# Altium PCB IRVT-001.PcbDoc (part 1 of 4) (continued)
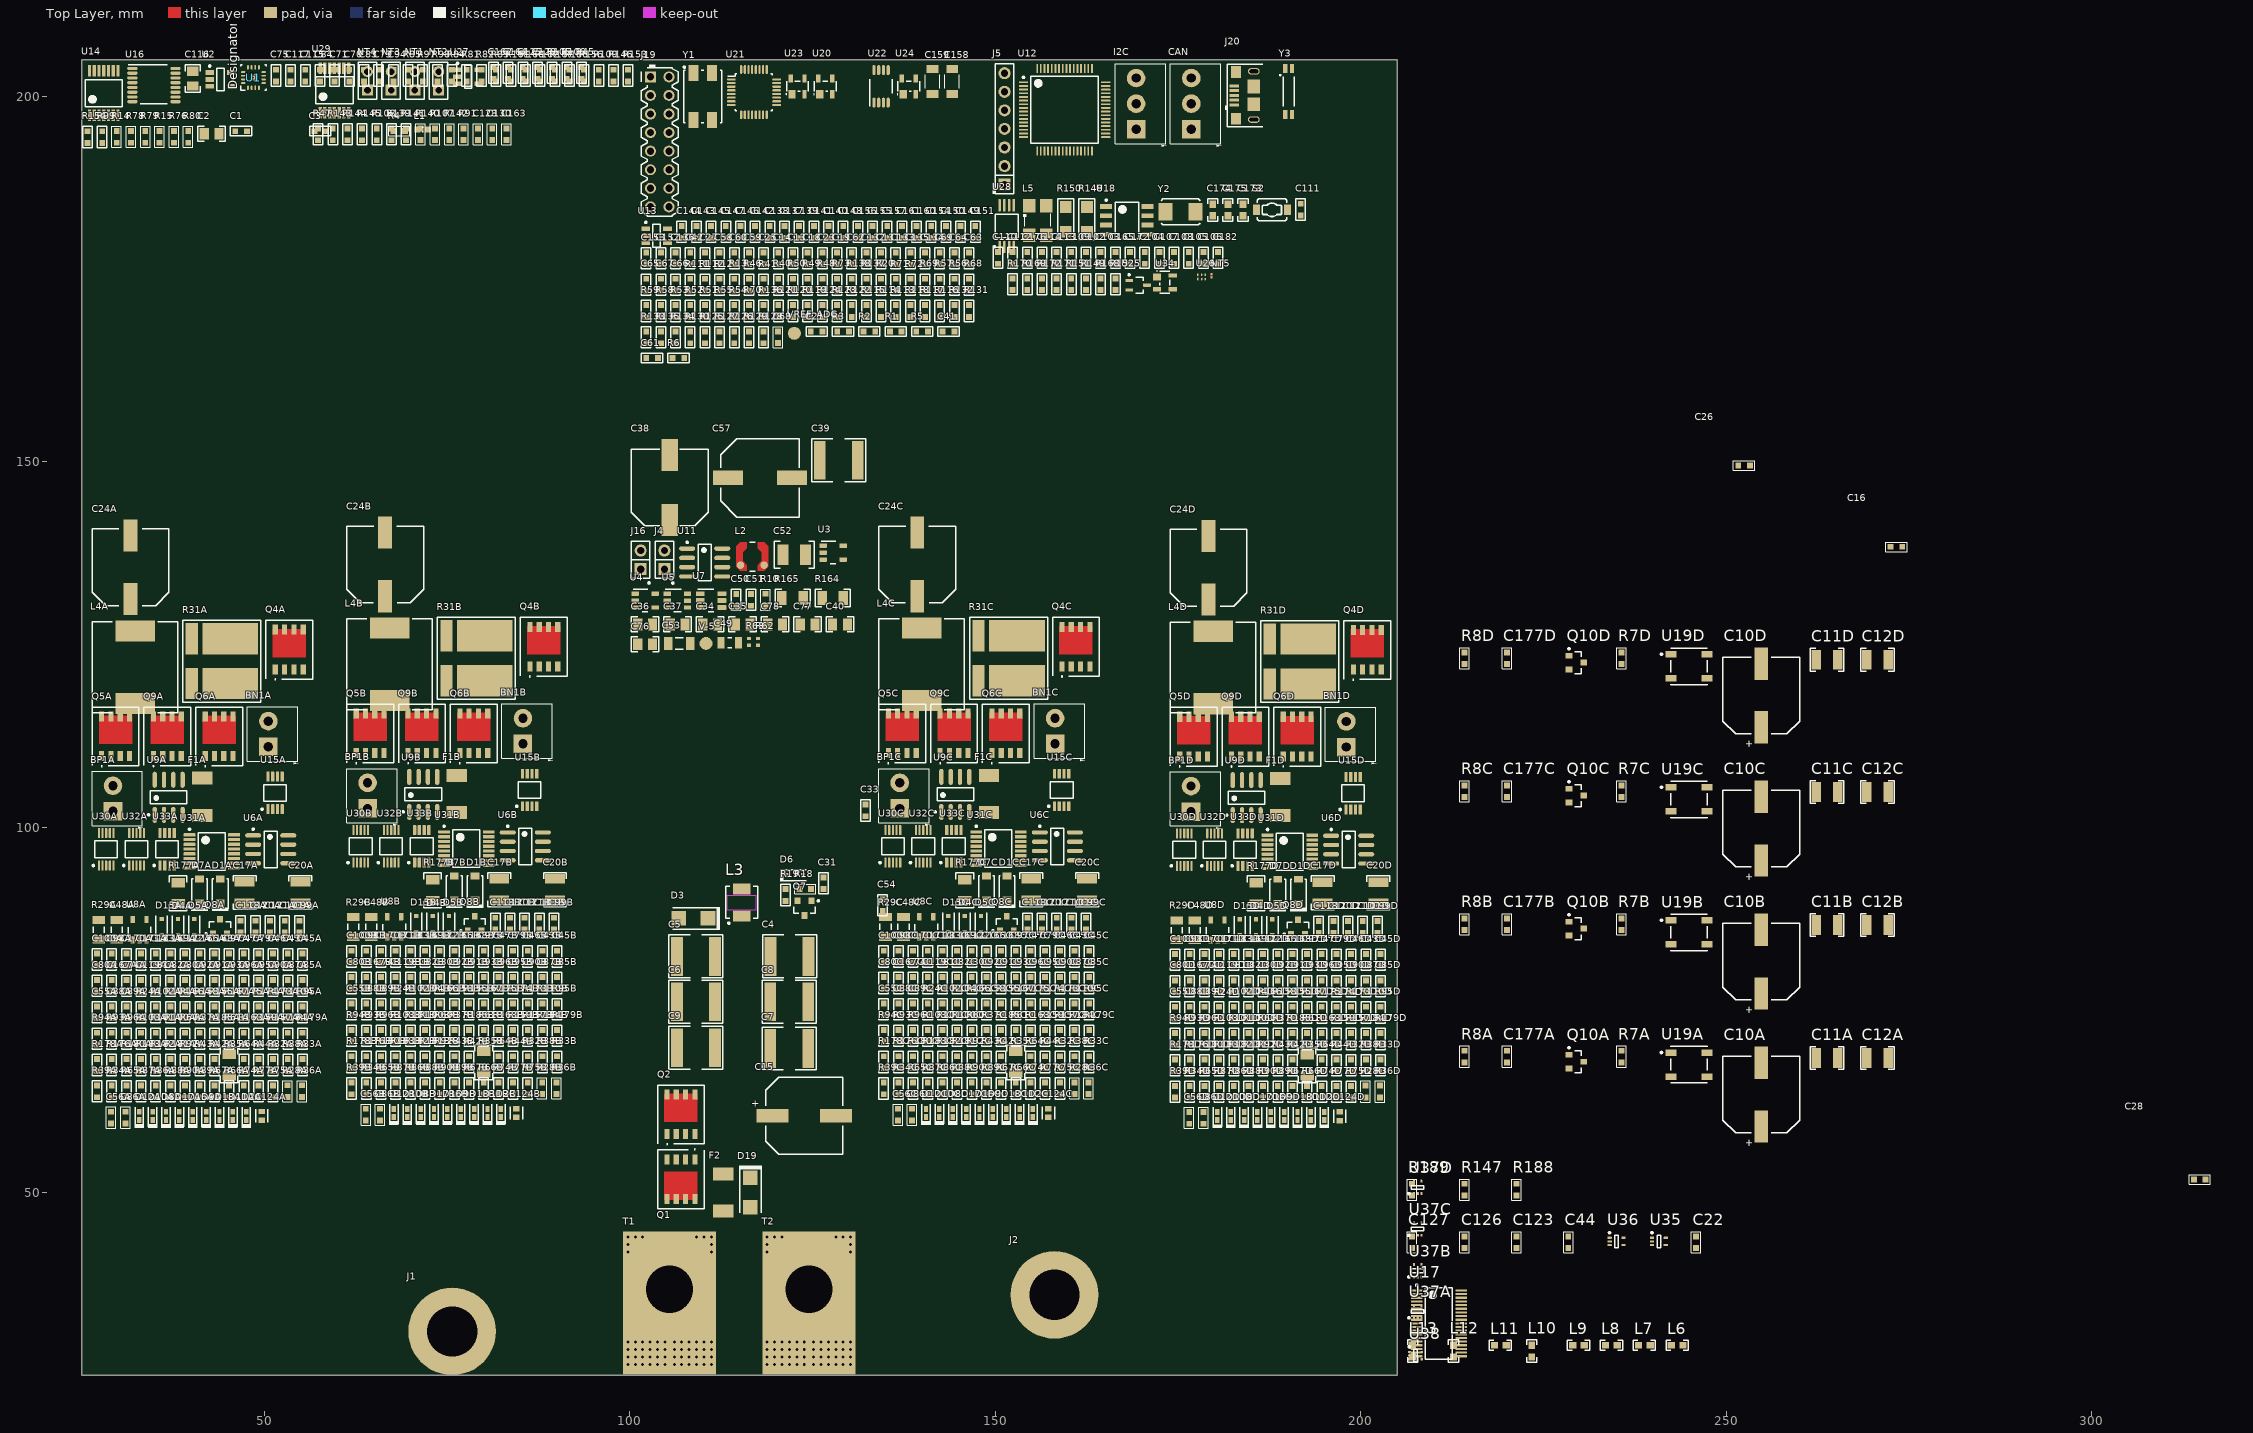
[diagram p0: Top Layer view]
## Classes and differential pairs (continued)
component class ADC: C13 C14 C18 C19 C21 C23 C25 C27 C41 C42 C58 C59 C60 C61 C62 C63 C64 C65 C66 C67 C68 C69 C131 C132 C133 C134 C135 C136 C137 C138 C139 C140 C141 C142 C143 C144 C145 C146 C147 C148 C149 C150 C151 C152 C153 C154 C155 C156 C157 C158 C159 C160 C161 J19 R1 R2 R3 R5 R6 R12 R13 R20 R40 R41 R46 R48 R49 R50 R51 R52 R53 R54 R55 R56 R57 R58 R59 R68 R69 R70 R71 R72 R73 R111 R112 R113 R114 R115 R116 R117 R118 R119 R120 R121 R122 R123 R124 R125 R126 R127 R128 R129 R130 R131 R132 R133 R134 R135 R136 R137 R138 S1 U13 U17 U21 U22 VREF_ADC Y1
differential pair CAN_INT: +CAN_INT_P -CAN_INT_N
differential pair CAN_EXT: +CAN_EXT_P -CAN_EXT_N

## Components (designator, comment, footprint, x,y, rotation, side; value= is the part's Value field where it differs from the comment)
BN1A "ED555/2DS" TERM_BLK_ED555-2DS 50.545,110.992 r90 top (schematic designator BN1)
BN1B "ED555/2DS" TERM_BLK_ED555-2DS 85.381,111.392 r90 top (schematic designator BN1)
BN1C "ED555/2DS" TERM_BLK_ED555-2DS 158.181,111.392 r90 top (schematic designator BN1)
BN1D "ED555/2DS" TERM_BLK_ED555-2DS 198.041,110.946 r90 top (schematic designator BN1)
BP1A "ED555/2DS" TERM_BLK_ED555-2DS 29.288,102.151 r90 top (schematic designator BP1)
BP1B "ED555/2DS" TERM_BLK_ED555-2DS 64.124,102.551 r90 top (schematic designator BP1)
BP1C "ED555/2DS" TERM_BLK_ED555-2DS 136.924,102.551 r90 top (schematic designator BP1)
BP1D "ED555/2DS" TERM_BLK_ED555-2DS 176.784,102.106 r90 top (schematic designator BP1)
C1 "C0603C105K3RACTU" 0603C 46.813,195.212 r0 top value=1uF
C2 "Capacitor" 0805_HV 42.787,194.857 r0 top value=10uF
C3 "C0603C105K3RACTU" 0603C 57.637,195.212 r0 top value=1uF
C4 "C5750X7R2A475M230KA" 2220_280 121.851,82.306 r0 top value=4.7uF
C5 "C5750X7R2A475M230KA" 2220_280 109.051,82.306 r180 top value=4.7uF
C6 "C5750X7R2A475M230KA" 2220_280 109.051,76.106 r180 top value=4.7uF
C7 "C5750X7R2A475M230KA" 2220_280 121.801,69.706 r0 top value=4.7uF
C8 "C5750X7R2A475M230KA" 2220_280 121.801,76.086 r0 top value=4.7uF
C9 "C5750X7R2A475M230KA" 2220_280 109.051,69.806 r180 top value=4.7uF
C10A "25SVPF330M" CAPSMT_62_F12 254.799,63.4 r90 top value=330uF (schematic designator C10)
C10B "25SVPF330M" CAPSMT_62_F12 254.799,81.6 r90 top value=330uF (schematic designator C10)
C10C "25SVPF330M" CAPSMT_62_F12 254.799,99.8 r90 top value=330uF (schematic designator C10)
C10D "25SVPF330M" CAPSMT_62_F12 254.799,118 r90 top value=330uF (schematic designator C10)
C11A "GRM32ER71E226KE15L" 1210_270 263.799,68.4 r0 top value=22uF (schematic designator C11)
C11B "GRM32ER71E226KE15L" 1210_270 263.799,86.6 r0 top value=22uF (schematic designator C11)
C11C "GRM32ER71E226KE15L" 1210_270 263.799,104.8 r0 top value=22uF (schematic designator C11)
C11D "GRM32ER71E226KE15L" 1210_270 263.799,122.9 r0 top value=22uF (schematic designator C11)
C12A "GRM32ER71E226KE15L" 1210_270 270.699,68.4 r0 top value=22uF (schematic designator C12)
C12B "GRM32ER71E226KE15L" 1210_270 270.699,86.6 r0 top value=22uF (schematic designator C12)
C12C "GRM32ER71E226KE15L" 1210_270 270.699,104.8 r0 top value=22uF (schematic designator C12)
C12D "GRM32ER71E226KE15L" 1210_270 270.699,122.9 r0 top value=22uF (schematic designator C12)
C13 "Capacitor" 0603C 122.325,177.826 r90 top value=0.22uF
C14 "Capacitor" 0603C 120.317,177.826 r90 top value=0.22uF
C15 "25SVPF330M" CAPSMT_62_F12 123.851,60.506 r0 top value=330uF
C16 "C0603C104J3RACTU" 0603C 273.3,138.35 r0 top value=0.1uF
C17A "GRM32ER71A476ME15L" 1210_270 47.289,91.048 r90 top value=47uF (schematic designator C17)
C17B "GRM32ER71A476ME15L" 1210_270 82.125,91.448 r90 top value=47uF (schematic designator C17)
C17C "GRM32ER71A476ME15L" 1210_270 154.925,91.448 r90 top value=47uF (schematic designator C17)
C17D "GRM32ER71A476ME15L" 1210_270 194.785,91.002 r90 top value=47uF (schematic designator C17)
C18 "Capacitor" 0603C 124.333,177.826 r90 top value=1500pF
C19 "Capacitor" 0603C 128.349,177.826 r90 top value=0.1uF
C20A "GRM32ER71A476ME15L" 1210_270 54.932,91.048 r90 top value=47uF (schematic designator C20)
C20B "GRM32ER71A476ME15L" 1210_270 89.768,91.448 r90 top value=47uF (schematic designator C20)
C20C "GRM32ER71A476ME15L" 1210_270 162.568,91.448 r90 top value=47uF (schematic designator C20)
C20D "GRM32ER71A476ME15L" 1210_270 202.428,91.002 r90 top value=47uF (schematic designator C20)
C21 "GRM188R72A392KA01D" 0603C 125.564,167.802 r0 top value=3900pF
C22 "C0603C104J3RACTU" 0603C 245.9,43.2 r90 top value=0.1uF
C23 "Capacitor" 0603C 126.341,177.826 r90 top value=2700pF
C24A "10SVP560M" SM_RADIAL_10AMM 31.693,135.537 r90 top value=560uF (schematic designator C24)
C24B "10SVP560M" SM_RADIAL_10AMM 66.529,135.937 r90 top value=560uF (schematic designator C24)
C24C "10SVP560M" SM_RADIAL_10AMM 139.329,135.937 r90 top value=560uF (schematic designator C24)
C24D "10SVP560M" SM_RADIAL_10AMM 179.189,135.492 r90 top value=560uF (schematic designator C24)
C25 "Capacitor" 0603C 118.309,177.826 r90 top value=1500pF
C26 "C0603C104J3RACTU" 0603C 252.45,149.45 r180 top value=0.1uF
C27 "Capacitor" 0603C 110.277,177.826 r90 top value=1500pF
C28 "C0603C104J3RACTU" 0603C 314.8,51.8 r0 top value=0.1uF
C29 "GRM1885C1H103JA01D" 0603C 101.801,61.206 r0 bottom value=0.01uF
C30A "C0603C105K3RACTU" 0603C 39.152,78.274 r90 top value=1uF (schematic designator C30)
C30B "C0603C105K3RACTU" 0603C 73.988,78.674 r90 top value=1uF (schematic designator C30)
C30C "C0603C105K3RACTU" 0603C 146.788,78.674 r90 top value=1uF (schematic designator C30)
C30D "C0603C105K3RACTU" 0603C 186.648,78.229 r90 top value=1uF (schematic designator C30)
C31 "GRM1885C1H103JA01D" 0603C 126.501,92.306 r270 top value=0.01uF
C32 "C0603C104J3RACTU" 0603C 112.501,50.306 r90 bottom value=0.1uF
C33 "GRM1885C1H103JA01D" 0603C 132.234,102.275 r90 top value=0.01uF
C34 "C2012X7S2A105K125AB" 0805_HV 110.982,127.727 r0 top value=1uF
C35 "C2012X7S2A105K125AB" 0805_HV 115.427,127.727 r0 top value=1uF
C36 "C2012X7S2A105K125AB" 0805_HV 102.092,127.727 r0 top value=1uF
C37 "C2012X7S2A105K125AB" 0805_HV 106.537,127.727 r0 top value=1uF
C38 "EMVH101ADA220MJA0G" CAPSMT_62_JA0 105.462,146.46 r90 top value=22uF
C39 "C5750X7S2A106M230KB" 2220_250 128.603,150.183 r0 top value=10uF
C40 "C2012X7R2A104K125AA" 0805_HV 128.762,127.727 r0 top value=0.1uF
C41 "GRM188R72A392KA01D" 0603C 143.604,167.802 r0 top value=3900pF
C42 "Capacitor" 0603C 108.269,177.826 r90 top value=1500pF
C43A "Capacitor" 0603C 53.208,81.882 r90 top value=0.1uF (schematic designator C43)
C43B "Capacitor" 0603C 88.044,82.282 r90 top value=0.1uF (schematic designator C43)
C43C "Capacitor" 0603C 160.844,82.282 r90 top value=0.1uF (schematic designator C43)
C43D "Capacitor" 0603C 200.704,81.837 r90 top value=0.1uF (schematic designator C43)
C44 "C0603C104J3RACTU" 0603C 228.4,43.2 r90 top value=0.1uF
C45A "Capacitor" 0603C 55.216,81.882 r90 top value=0.015uF (schematic designator C45)
C45B "Capacitor" 0603C 90.052,82.282 r90 top value=0.015uF (schematic designator C45)
C45C "Capacitor" 0603C 162.852,82.282 r90 top value=0.015uF (schematic designator C45)
C45D "Capacitor" 0603C 202.712,81.837 r90 top value=0.015uF (schematic designator C45)
C46A "Capacitor" 0603C 51.2,81.882 r90 top value=0.015uF (schematic designator C46)
C46B "Capacitor" 0603C 86.036,82.282 r90 top value=0.015uF (schematic designator C46)
C46C "Capacitor" 0603C 158.836,82.282 r90 top value=0.015uF (schematic designator C46)
C46D "Capacitor" 0603C 198.696,81.837 r90 top value=0.015uF (schematic designator C46)
C47A "Capacitor" 0603C 47.184,81.882 r90 top value=0.1uF (schematic designator C47)
C47B "Capacitor" 0603C 82.02,82.282 r90 top value=0.1uF (schematic designator C47)
C47C "Capacitor" 0603C 154.82,82.282 r90 top value=0.1uF (schematic designator C47)
C47D "Capacitor" 0603C 194.68,81.837 r90 top value=0.1uF (schematic designator C47)
C48A "GRM319R61H475KA12" 1206L 29.792,85.942 r90 top value=4.7uF (schematic designator C48)
C48B "GRM319R61H475KA12" 1206L 64.628,86.342 r90 top value=4.7uF (schematic designator C48)
C48C "GRM319R61H475KA12" 1206L 137.428,86.342 r90 top value=4.7uF (schematic designator C48)
C48D "GRM319R61H475KA12" 1206L 177.288,85.896 r90 top value=4.7uF (schematic designator C48)
C49 "C2012X7R2A104K125AA" CAPC2013X145X20ML20 113.671,125.238 r0 top
C50 "GRM188R61E106MA73D" 0603C 114.556,131.09 r90 top value=10uF
C51 "100nF 50V" 0603C 116.564,131.09 r90 top
C52 "12105C106KAT2A" 1210M 122.502,137.261 r0 top
C53 "CAP 4.7uF 50V 1206(3216)" CAPC1206(3216)190_N 106.745,125.113 r0 top value=4.7uF
C54 "GRM1885C1H103JA01D" 0603C 134.601,89.306 r90 top value=0.01uF
C55A "GRM1885C1H101JA01D" 0603C 27.104,74.666 r90 top value=100pF (schematic designator C55)
C55B "GRM1885C1H101JA01D" 0603C 61.94,75.066 r90 top value=100pF (schematic designator C55)
C55C "GRM1885C1H101JA01D" 0603C 134.74,75.066 r90 top value=100pF (schematic designator C55)
C55D "GRM1885C1H101JA01D" 0603C 174.6,74.621 r90 top value=100pF (schematic designator C55)
C56A "Capacitor" 0603C 29.037,60.259 r90 top value=0.1uF (schematic designator C56)
C56B "Capacitor" 0603C 63.873,60.659 r90 top value=0.1uF (schematic designator C56)
C56C "Capacitor" 0603C 136.673,60.659 r90 top value=0.1uF (schematic designator C56)
C56D "Capacitor" 0603C 176.533,60.214 r90 top value=0.1uF (schematic designator C56)
C57 "EEE-FC1E221P" SM_RADIAL_G 117.811,147.772 r0 top value=220uF
C58 "Capacitor" 0603C 112.285,177.826 r90 top value=1uF
C59 "Capacitor" 0603C 116.301,177.826 r90 top value=0.1uF
C60 "Capacitor" 0603C 114.293,177.826 r90 top value=1uF
C61 "Capacitor" 0603C 103.045,164.194 r0 top value=0.1uF
C62 "Capacitor" 0603C 130.357,177.826 r90 top value=1uF
C63 "Capacitor" 0603C 146.421,177.826 r90 top value=2700pF
C64 "Capacitor" 0603C 144.413,177.826 r90 top value=2700pF
C65 "Capacitor" 0603C 102.245,174.218 r90 top value=2700pF
C66 "Capacitor" 0603C 106.261,174.218 r90 top value=2700pF
C67 "Capacitor" 0603C 104.253,174.218 r90 top value=1uF
C68 "Capacitor" 0603C 120.292,167.027 r90 top value=1uF
C69 "Capacitor" 0603C 142.405,177.826 r90 top value=2700pF
C70 "C0603C105K3RACTU" 0603C 61.624,202.823 r90 top value=1uF
C71 "C0603C105K3RACTU" 0603C 59.616,202.823 r90 top value=1uF
C72 "C0603C105K3RACTU" 0603C 110.701,62.806 r90 bottom value=1uF
C73 "C0603C104J3RACTU" 0603C 65.64,202.823 r90 top value=0.1uF
C74A "GRM1885C1H103JA01D" 0603C 31.12,78.274 r90 top value=0.01uF (schematic designator C74)
C74B "GRM1885C1H103JA01D" 0603C 65.956,78.674 r90 top value=0.01uF (schematic designator C74)
C74C "GRM1885C1H103JA01D" 0603C 138.756,78.674 r90 top value=0.01uF (schematic designator C74)
C74D "GRM1885C1H103JA01D" 0603C 178.616,78.229 r90 top value=0.01uF (schematic designator C74)
C75 "C0603C104J3RACTU" 0603C 51.584,202.823 r90 top value=0.1uF
C76 "Capacitor" 0805_HV 102.092,125.009 r0 top value=1uF
C77 "Capacitor" 0805_HV 124.317,127.727 r0 top value=1uF
C78 "Capacitor" 0805_HV 119.872,127.727 r0 top value=1uF
C79A "Capacitor" 0603C 49.192,81.882 r90 top value=0.015uF (schematic designator C79)
C79B "Capacitor" 0603C 84.028,82.282 r90 top value=0.015uF (schematic designator C79)
C79C "Capacitor" 0603C 156.828,82.282 r90 top value=0.015uF (schematic designator C79)
C79D "Capacitor" 0603C 196.688,81.837 r90 top value=0.015uF (schematic designator C79)
C80A "Capacitor" 0603C 27.104,78.274 r90 top value=0.015uF (schematic designator C80)
C80B "Capacitor" 0603C 61.94,78.674 r90 top value=0.015uF (schematic designator C80)
C80C "Capacitor" 0603C 134.74,78.674 r90 top value=0.015uF (schematic designator C80)
C80D "Capacitor" 0603C 174.6,78.229 r90 top value=0.015uF (schematic designator C80)
C81A "Capacitor" 0603C 35.136,78.274 r90 top value=0.015uF (schematic designator C81)
C81B "Capacitor" 0603C 69.972,78.674 r90 top value=0.015uF (schematic designator C81)
C81C "Capacitor" 0603C 142.772,78.674 r90 top value=0.015uF (schematic designator C81)
C81D "Capacitor" 0603C 182.632,78.229 r90 top value=0.015uF (schematic designator C81)
C82A "Capacitor" 0603C 37.144,78.274 r90 top value=0.015uF (schematic designator C82)
C82B "Capacitor" 0603C 71.98,78.674 r90 top value=0.015uF (schematic designator C82)
C82C "Capacitor" 0603C 144.78,78.674 r90 top value=0.015uF (schematic designator C82)
C82D "Capacitor" 0603C 184.64,78.229 r90 top value=0.015uF (schematic designator C82)
C83 "C0603C105K3RACTU" 0603C 63.632,202.823 r90 top value=1uF
C84 "C0603C104J3RACTU" 0603C 57.608,202.823 r90 top value=0.1uF
C85A "C0603C105K3RACTU" 0603C 55.216,78.274 r90 top value=1uF (schematic designator C85)
C85B "C0603C105K3RACTU" 0603C 90.052,78.674 r90 top value=1uF (schematic designator C85)
C85C "C0603C105K3RACTU" 0603C 162.852,78.674 r90 top value=1uF (schematic designator C85)
C85D "C0603C105K3RACTU" 0603C 202.712,78.229 r90 top value=1uF (schematic designator C85)
C86A "Capacitor" 0603C 30.995,60.259 r90 top value=0.1uF (schematic designator C86)
C86B "Capacitor" 0603C 65.831,60.659 r90 top value=0.1uF (schematic designator C86)
C86C "Capacitor" 0603C 138.631,60.659 r90 top value=0.1uF (schematic designator C86)
C86D "Capacitor" 0603C 178.491,60.214 r90 top value=0.1uF (schematic designator C86)
C87A "GRM1885C1H102JA01D" 0603C 53.208,78.274 r90 top value=1000pF (schematic designator C87)
C87B "GRM1885C1H102JA01D" 0603C 88.044,78.674 r90 top value=1000pF (schematic designator C87)
C87C "GRM1885C1H102JA01D" 0603C 160.844,78.674 r90 top value=1000pF (schematic designator C87)
C87D "GRM1885C1H102JA01D" 0603C 200.704,78.229 r90 top value=1000pF (schematic designator C87)
C88A "C0603C105K3RACTU" 0603C 29.112,74.666 r90 top value=1uF (schematic designator C88)
C88B "C0603C105K3RACTU" 0603C 63.948,75.066 r90 top value=1uF (schematic designator C88)
C88C "C0603C105K3RACTU" 0603C 136.748,75.066 r90 top value=1uF (schematic designator C88)
C88D "C0603C105K3RACTU" 0603C 176.608,74.621 r90 top value=1uF (schematic designator C88)
C89A "GRM1885C1H101JA01D" 0603C 31.12,74.666 r90 top value=100pF (schematic designator C89)
C89B "GRM1885C1H101JA01D" 0603C 65.956,75.066 r90 top value=100pF (schematic designator C89)
C89C "GRM1885C1H101JA01D" 0603C 138.756,75.066 r90 top value=100pF (schematic designator C89)
C89D "GRM1885C1H101JA01D" 0603C 178.616,74.621 r90 top value=100pF (schematic designator C89)
C90A "GRM1885C1H101JA01D" 0603C 51.2,78.274 r90 top value=100pF (schematic designator C90)
C90B "GRM1885C1H101JA01D" 0603C 86.036,78.674 r90 top value=100pF (schematic designator C90)
C90C "GRM1885C1H101JA01D" 0603C 158.836,78.674 r90 top value=100pF (schematic designator C90)
C90D "GRM1885C1H101JA01D" 0603C 198.696,78.229 r90 top value=100pF (schematic designator C90)
C91A "GRM1885C1H101JA01D" 0603C 43.168,78.274 r90 top value=100pF (schematic designator C91)
C91B "GRM1885C1H101JA01D" 0603C 78.004,78.674 r90 top value=100pF (schematic designator C91)
C91C "GRM1885C1H101JA01D" 0603C 150.804,78.674 r90 top value=100pF (schematic designator C91)
C91D "GRM1885C1H101JA01D" 0603C 190.664,78.229 r90 top value=100pF (schematic designator C91)
C92A "GRM188R71A225KE15D" 0603C 41.16,78.274 r90 top value=2.2uF (schematic designator C92)
C92B "GRM188R71A225KE15D" 0603C 75.996,78.674 r90 top value=2.2uF (schematic designator C92)
C92C "GRM188R71A225KE15D" 0603C 148.796,78.674 r90 top value=2.2uF (schematic designator C92)
C92D "GRM188R71A225KE15D" 0603C 188.656,78.229 r90 top value=2.2uF (schematic designator C92)
C93A "GRM1885C1H221JA01D" 0603C 45.176,78.274 r90 top value=220pF (schematic designator C93)
C93B "GRM1885C1H221JA01D" 0603C 80.012,78.674 r90 top value=220pF (schematic designator C93)
C93C "GRM1885C1H221JA01D" 0603C 152.812,78.674 r90 top value=220pF (schematic designator C93)
C93D "GRM1885C1H221JA01D" 0603C 192.672,78.229 r90 top value=220pF (schematic designator C93)
C94 "C0603C105K3RACTU" 0603C 67.648,202.823 r90 top value=1uF
C95A "GRM1885C1H101JA01D" 0603C 49.192,78.274 r90 top value=100pF (schematic designator C95)
C95B "GRM1885C1H101JA01D" 0603C 84.028,78.674 r90 top value=100pF (schematic designator C95)
C95C "GRM1885C1H101JA01D" 0603C 156.828,78.674 r90 top value=100pF (schematic designator C95)
C95D "GRM1885C1H101JA01D" 0603C 196.688,78.229 r90 top value=100pF (schematic designator C95)
C96A "GRM1885C1H101JA01D" 0603C 47.184,78.274 r90 top value=100pF (schematic designator C96)
C96B "GRM1885C1H101JA01D" 0603C 82.02,78.674 r90 top value=100pF (schematic designator C96)
C96C "GRM1885C1H101JA01D" 0603C 154.82,78.674 r90 top value=100pF (schematic designator C96)
C96D "GRM1885C1H101JA01D" 0603C 194.68,78.229 r90 top value=100pF (schematic designator C96)
C97A "C0603C105K3RACTU" 0603C 45.176,81.882 r90 top value=1uF (schematic designator C97)
C97B "C0603C105K3RACTU" 0603C 80.012,82.282 r90 top value=1uF (schematic designator C97)
C97C "C0603C105K3RACTU" 0603C 152.812,82.282 r90 top value=1uF (schematic designator C97)
C97D "C0603C105K3RACTU" 0603C 192.672,81.837 r90 top value=1uF (schematic designator C97)
C98A "C0603C104J3RACTU" 0603C 29.112,81.882 r90 top value=0.1uF (schematic designator C98)
C98B "C0603C104J3RACTU" 0603C 63.948,82.282 r90 top value=0.1uF (schematic designator C98)
C98C "C0603C104J3RACTU" 0603C 136.748,82.282 r90 top value=0.1uF (schematic designator C98)
C98D "C0603C104J3RACTU" 0603C 176.608,81.837 r90 top value=0.1uF (schematic designator C98)
C99A "C0603C105K3RACTU" 0603C 54.79,86.393 r90 top value=1uF (schematic designator C99)
C99B "C0603C105K3RACTU" 0603C 89.626,86.793 r90 top value=1uF (schematic designator C99)
C99C "C0603C105K3RACTU" 0603C 162.426,86.793 r90 top value=1uF (schematic designator C99)
C99D "C0603C105K3RACTU" 0603C 202.286,86.348 r90 top value=1uF (schematic designator C99)
C100A "GRM1885C1H101JA01D" 0603C 27.104,81.882 r90 top value=100pF (schematic designator C100)
C100B "GRM1885C1H101JA01D" 0603C 61.94,82.282 r90 top value=100pF (schematic designator C100)
C100C "GRM1885C1H101JA01D" 0603C 134.74,82.282 r90 top value=100pF (schematic designator C100)
C100D "GRM1885C1H101JA01D" 0603C 174.6,81.837 r90 top value=100pF (schematic designator C100)
C101A "C0603C105K3RACTU" 0603C 52.782,86.393 r90 top value=1uF (schematic designator C101)
C101B "C0603C105K3RACTU" 0603C 87.618,86.793 r90 top value=1uF (schematic designator C101)
C101C "C0603C105K3RACTU" 0603C 160.418,86.793 r90 top value=1uF (schematic designator C101)
C101D "C0603C105K3RACTU" 0603C 200.278,86.348 r90 top value=1uF (schematic designator C101)
C102 "06033C104JAT2A" 0603C 162.413,177.875 r90 top value=0.1uF
C103 "06033C104JAT2A" 0603C 164.421,177.875 r90 top value=0.1uF
C104 "06033C104JAT2A" 0603C 170.445,177.875 r90 top value=0.1uF
C105 "06033C104JAT2A" 0603C 176.469,177.875 r90 top value=0.1uF
C106 "06033C104JAT2A" 0603C 178.477,177.875 r90 top value=0.1uF
C107 "GRM188R6YA225KA12D" 0603C 172.453,177.875 r90 top value=2.2uF
C108 "GRM188R71E105KA12D" 0603C 174.461,177.875 r90 top value=1uF
C109 "06033C104JAT2A" 0603C 160.405,177.875 r90 top value=0.1uF
C110 "C0603C120J5GACTU" 0603C 150.365,177.875 r90 top value=12pF
C111 "C0603C120J5GACTU" 0603C 191.792,184.486 r90 top value=12pF
C112 "06033C104JAT2A" 0603C 152.373,177.875 r90 top value=0.1uF
C113 "06035A6R8CAT2A" 0603C 158.397,177.875 r90 top value=6.8pF
C114 "06035A6R8CAT2A" 0603C 156.389,177.875 r90 top value=6.8pF
C115 "C0603C105K3RACTU" 0603C 55.6,202.823 r90 top value=1uF
C116 "Capacitor" 0805_HV 40.202,202.405 r90 top value=10uF
C117 "C0603C105K3RACTU" 0603C 53.592,202.823 r90 top value=1uF
C118A "GRM188R71A334KA61D" 0603C 46.758,86.393 r90 top value=0.33uF (schematic designator C118)
C118B "GRM188R71A334KA61D" 0603C 81.594,86.793 r90 top value=0.33uF (schematic designator C118)
C118C "GRM188R71A334KA61D" 0603C 154.394,86.793 r90 top value=0.33uF (schematic designator C118)
C118D "GRM188R71A334KA61D" 0603C 194.254,86.348 r90 top value=0.33uF (schematic designator C118)
C119A "Capacitor" 0603C 33.128,78.274 r90 top value=0.1uF (schematic designator C119)
C119B "Capacitor" 0603C 67.964,78.674 r90 top value=0.1uF (schematic designator C119)
C119C "Capacitor" 0603C 140.764,78.674 r90 top value=0.1uF (schematic designator C119)
C119D "Capacitor" 0603C 180.624,78.229 r90 top value=0.1uF (schematic designator C119)
C120A "C0603C105K3RACTU" 0603C 48.766,86.393 r90 top value=1uF (schematic designator C120)
C120B "C0603C105K3RACTU" 0603C 83.602,86.793 r90 top value=1uF (schematic designator C120)
C120C "C0603C105K3RACTU" 0603C 156.402,86.793 r90 top value=1uF (schematic designator C120)
C120D "C0603C105K3RACTU" 0603C 196.262,86.348 r90 top value=1uF (schematic designator C120)
C121A "C0603C105K3RACTU" 0603C 50.774,86.393 r90 top value=1uF (schematic designator C121)
C121B "C0603C105K3RACTU" 0603C 85.61,86.793 r90 top value=1uF (schematic designator C121)
C121C "C0603C105K3RACTU" 0603C 158.41,86.793 r90 top value=1uF (schematic designator C121)
C121D "C0603C105K3RACTU" 0603C 198.27,86.348 r90 top value=1uF (schematic designator C121)
C122A "C0603C105K3RACTU" 0603C 39.152,81.882 r90 top value=1uF (schematic designator C122)
C122B "C0603C105K3RACTU" 0603C 73.988,82.282 r90 top value=1uF (schematic designator C122)
C122C "C0603C105K3RACTU" 0603C 146.788,82.282 r90 top value=1uF (schematic designator C122)
C122D "C0603C105K3RACTU" 0603C 186.648,81.837 r90 top value=1uF (schematic designator C122)
C123 "C0603C104J3RACTU" 0603C 221.3,43.2 r90 top value=0.1uF
C124A "C0603C152J1GACTU" FP-C0603C-CF-MFG 49.637,60.484 r90 top value="1,500 pF" (schematic designator C124)
C124B "C0603C152J1GACTU" FP-C0603C-CF-MFG 84.473,60.884 r90 top value="1,500 pF" (schematic designator C124)
C124C "C0603C152J1GACTU" FP-C0603C-CF-MFG 157.273,60.884 r90 top value="1,500 pF" (schematic designator C124)
C124D "C0603C152J1GACTU" FP-C0603C-CF-MFG 197.134,60.439 r90 top value="1,500 pF" (schematic designator C124)
C125 "C0603C105K3RACTU" 0603C 85.355,203.186 r90 top value=1uF
C126 "C0603C104J3RACTU" 0603C 214.2,43.2 r90 top value=0.1uF
C127 "C0603C104J3RACTU" 0603C 207,43.2 r90 top value=0.1uF
C128 "Capacitor" 0603C 79.216,194.8 r90 top value=0.1uF
C129 "C0603C105K3RACTU" 0603C 87.363,203.186 r90 top value=1uF
C130 "Capacitor" 0603C 81.174,194.8 r90 top value=0.1uF
C131 "Capacitor" 0603C 134.373,177.826 r90 top value=0.22uF
C132 "Capacitor" 0603C 132.365,177.826 r90 top value=0.22uF
C133 "Capacitor" 0603C 136.381,177.826 r90 top value=0.1uF
C134 "Capacitor" 0603C 140.397,177.826 r90 top value=1uF
C135 "Capacitor" 0603C 138.389,177.826 r90 top value=0.1uF
C136 "Capacitor" 0603C 106.261,177.826 r90 top value=1uF
C137 "Capacitor" 0603C 121.162,181.434 r90 top value=0.01uF
C138 "Capacitor" 0603C 119.154,181.434 r90 top value=1uF
C139 "Capacitor" 0603C 123.17,181.434 r90 top value=0.01uF
C140 "Capacitor" 0603C 127.186,181.434 r90 top value=0.01uF
C141 "Capacitor" 0603C 125.178,181.434 r90 top value=1uF
C142 "Capacitor" 0603C 117.146,181.434 r90 top value=1500pF
C143 "GRM188R72A392KA01D" 0603C 109.114,181.434 r90 top value=3900pF
C144 "Capacitor" 0603C 107.106,181.434 r90 top value=1500pF
C145 "Capacitor" 0603C 111.122,181.434 r90 top value=1uF
C146 "Capacitor" 0603C 115.138,181.434 r90 top value=0.1uF
C147 "Capacitor" 0603C 113.13,181.434 r90 top value=2700pF
C148 "Capacitor" 0603C 129.194,181.434 r90 top value=2700pF
C149 "Capacitor" 0603C 145.258,181.434 r90 top value=10pF
C150 "Capacitor" 0603C 143.25,181.434 r90 top value=1500pF
C151 "GRM188R72A392KA01D" 0603C 147.266,181.434 r90 top value=3900pF
C152 "GRM1885C1H200JA01D" 0603C 104.253,177.826 r90 top value=20pF
C153 "GRM1885C1H200JA01D" 0603C 102.245,177.826 r90 top value=20pF
C154 "Capacitor" 0603C 141.242,181.434 r90 top value=1500pF
C155 "Capacitor" 0603C 133.21,181.434 r90 top value=1uF
C156 "Capacitor" 0603C 131.202,181.434 r90 top value=1uF
C157 "Capacitor" 0603C 135.218,181.434 r90 top value=1000pF
C158 "Capacitor" 1206_190 144.1,202 r90 top value=100uF
C159 "Capacitor" 1206_190 141.422,202 r90 top value=100uF
C160 "Capacitor" 0603C 139.234,181.434 r90 top value=1uF
C161 "Capacitor" 0603C 137.226,181.434 r90 top value=1uF
C162 "C0603C105K3RACTU" 0603C 81.339,203.186 r90 top value=1uF
C163 "Capacitor" 0603C 83.132,194.8 r90 top value=0.1uF
C164 "C0603C105K3RACTU" 0603C 83.347,203.186 r90 top value=1uF
C165 "GRM1885C1H560JA01D" 0603C 166.429,177.875 r90 top value=56pF
C166A "GRM1885C1H101JA01D" 0603C 41.16,81.882 r90 top value=100pF (schematic designator C166)
C166B "GRM1885C1H101JA01D" 0603C 75.996,82.282 r90 top value=100pF (schematic designator C166)
C166C "GRM1885C1H101JA01D" 0603C 148.796,82.282 r90 top value=100pF (schematic designator C166)
C166D "GRM1885C1H101JA01D" 0603C 188.656,81.837 r90 top value=100pF (schematic designator C166)
C167A "Capacitor" 0603C 29.112,78.274 r90 top value=0.1uF (schematic designator C167)
C167B "Capacitor" 0603C 63.948,78.674 r90 top value=0.1uF (schematic designator C167)
C167C "Capacitor" 0603C 136.748,78.674 r90 top value=0.1uF (schematic designator C167)
C167D "Capacitor" 0603C 176.608,78.229 r90 top value=0.1uF (schematic designator C167)
C168A "GRM1885C1H103JA01D" 0603C 43.168,81.882 r90 top value=0.01uF (schematic designator C168)
C168B "GRM1885C1H103JA01D" 0603C 78.004,82.282 r90 top value=0.01uF (schematic designator C168)
C168C "GRM1885C1H103JA01D" 0603C 150.804,82.282 r90 top value=0.01uF (schematic designator C168)
C168D "GRM1885C1H103JA01D" 0603C 190.664,81.837 r90 top value=0.01uF (schematic designator C168)
C169A "C0603C105K3RACTU" 0603C 37.144,81.882 r90 top value=1uF (schematic designator C169)
C169B "C0603C105K3RACTU" 0603C 71.98,82.282 r90 top value=1uF (schematic designator C169)
C169C "C0603C105K3RACTU" 0603C 144.78,82.282 r90 top value=1uF (schematic designator C169)
C169D "C0603C105K3RACTU" 0603C 184.64,81.837 r90 top value=1uF (schematic designator C169)
C170A "GRM1885C1H221JA01D" 0603C 31.12,81.882 r90 top value=220pF (schematic designator C170)
C170B "GRM1885C1H221JA01D" 0603C 65.956,82.282 r90 top value=220pF (schematic designator C170)
C170C "GRM1885C1H221JA01D" 0603C 138.756,82.282 r90 top value=220pF (schematic designator C170)
C170D "GRM1885C1H221JA01D" 0603C 178.616,81.837 r90 top value=220pF (schematic designator C170)
C171A "C0603C105K3RACTU" 0603C 33.128,81.882 r90 top value=1uF (schematic designator C171)
C171B "C0603C105K3RACTU" 0603C 67.964,82.282 r90 top value=1uF (schematic designator C171)
C171C "C0603C105K3RACTU" 0603C 140.764,82.282 r90 top value=1uF (schematic designator C171)
C171D "C0603C105K3RACTU" 0603C 180.624,81.837 r90 top value=1uF (schematic designator C171)
C172 "GCM188R71H472KA37D" 0603C 168.437,177.875 r90 top value=4700pF
C173 "GRM1885C1H560JA01D" 0603 183.893,184.423 r90 top value=56pF
C174 "GRM188R71E105KA12D" 0603 179.754,184.423 r90 top value=1uF
C175 "GRM188R6YA225KA12D" 0603 181.823,184.423 r90 top value=2.2uF
C176 "06033C104JAT2A" 0603C 154.381,177.875 r90 top value=0.1uF
C177A "GRM1885C1H103JA01D" 0603C 220,68.6 r90 top value=0.01uF (schematic designator C177)
C177B "GRM1885C1H103JA01D" 0603C 220,86.7 r90 top value=0.01uF (schematic designator C177)
C177C "GRM1885C1H103JA01D" 0603C 220,104.9 r90 top value=0.01uF (schematic designator C177)
C177D "GRM1885C1H103JA01D" 0603C 220,123.1 r90 top value=0.01uF (schematic designator C177)
C182 "06033C104JAT2A" 0603C 180.485,177.875 r90 top value=0.1uF
C183A "C0603C220J5GACTU" 0603C 35.136,81.882 r90 top value=22pF (schematic designator C183)
C183B "C0603C220J5GACTU" 0603C 69.972,82.282 r90 top value=22pF (schematic designator C183)
C183C "C0603C220J5GACTU" 0603C 142.772,82.282 r90 top value=22pF (schematic designator C183)
C183D "C0603C220J5GACTU" 0603C 182.632,81.837 r90 top value=22pF (schematic designator C183)
CAN "ED555/3DS" TERM_BLK_ED555-3DS 176.822,195.472 r90 top
D1A "MBR140SFT1G" SOD-123FL 43.969,91.256 r90 top value=40V (schematic designator D1)
D1B "MBR140SFT1G" SOD-123FL 78.805,91.656 r90 top value=40V (schematic designator D1)
D1C "MBR140SFT1G" SOD-123FL 151.605,91.656 r90 top value=40V (schematic designator D1)
D1D "MBR140SFT1G" SOD-123FL 191.465,91.211 r90 top value=40V (schematic designator D1)
D2A "NSR0240V2T1G" SOD-523 47.519,60.495 r90 top value=40V (schematic designator D2)
D2B "NSR0240V2T1G" SOD-523 82.355,60.895 r90 top value=40V (schematic designator D2)
D2C "NSR0240V2T1G" SOD-523 155.155,60.895 r90 top value=40V (schematic designator D2)
D2D "NSR0240V2T1G" SOD-523 195.015,60.45 r90 top value=40V (schematic designator D2)
D3 "SMAJ18A" SMA 108.701,87.506 r180 top value=18V
D4A "MMSZ5245BS-7-F" sod-323 38.183,86.329 r90 top value=15V (schematic designator D4)
D4B "MMSZ5245BS-7-F" sod-323 73.019,86.729 r90 top value=15V (schematic designator D4)
D4C "MMSZ5245BS-7-F" sod-323 145.819,86.729 r90 top value=15V (schematic designator D4)
D4D "MMSZ5245BS-7-F" sod-323 185.68,86.284 r90 top value=15V (schematic designator D4)
D5A "MMSZ5245BS-7-F" sod-323 40.418,86.329 r90 top value=15V (schematic designator D5)
D5B "MMSZ5245BS-7-F" sod-323 75.254,86.729 r90 top value=15V (schematic designator D5)
D5C "MMSZ5245BS-7-F" sod-323 148.054,86.729 r90 top value=15V (schematic designator D5)
D5D "MMSZ5245BS-7-F" sod-323 187.915,86.284 r90 top value=15V (schematic designator D5)
D6 "MMSZ5243BS-7-F" sod-323 122.601,93.406 r0 top value=13
D7A "MBR140SFT1G" SOD-123FL 41.149,91.256 r90 top value=40V (schematic designator D7)
D7B "MBR140SFT1G" SOD-123FL 75.985,91.656 r90 top value=40V (schematic designator D7)
D7C "MBR140SFT1G" SOD-123FL 148.785,91.656 r90 top value=40V (schematic designator D7)
D7D "MBR140SFT1G" SOD-123FL 188.645,91.211 r90 top value=40V (schematic designator D7)
D8A "NSR0240V2T1G" SOD-523 36.546,60.495 r90 top value=40V (schematic designator D8)
D8B "NSR0240V2T1G" SOD-523 71.382,60.895 r90 top value=40V (schematic designator D8)
D8C "NSR0240V2T1G" SOD-523 144.182,60.895 r90 top value=40V (schematic designator D8)
D8D "NSR0240V2T1G" SOD-523 184.042,60.45 r90 top value=40V (schematic designator D8)
D9A "NSR0240V2T1G" SOD-523 42.032,60.495 r90 top value=40V (schematic designator D9)
D9B "NSR0240V2T1G" SOD-523 76.868,60.895 r90 top value=40V (schematic designator D9)
D9C "NSR0240V2T1G" SOD-523 149.668,60.895 r90 top value=40V (schematic designator D9)
D9D "NSR0240V2T1G" SOD-523 189.529,60.45 r90 top value=40V (schematic designator D9)
D10A "NSR0240V2T1G" SOD-523 34.717,60.495 r90 top value=40V (schematic designator D10)
D10B "NSR0240V2T1G" SOD-523 69.553,60.895 r90 top value=40V (schematic designator D10)
D10C "NSR0240V2T1G" SOD-523 142.353,60.895 r90 top value=40V (schematic designator D10)
D10D "NSR0240V2T1G" SOD-523 182.214,60.45 r90 top value=40V (schematic designator D10)
D11A "NSR0240V2T1G" SOD-523 45.69,60.495 r90 top value=40V (schematic designator D11)
D11B "NSR0240V2T1G" SOD-523 80.526,60.895 r90 top value=40V (schematic designator D11)
D11C "NSR0240V2T1G" SOD-523 153.326,60.895 r90 top value=40V (schematic designator D11)
D11D "NSR0240V2T1G" SOD-523 193.186,60.45 r90 top value=40V (schematic designator D11)
D12A "NSR0240V2T1G" SOD-523 32.888,60.495 r90 top value=40V (schematic designator D12)
D12B "NSR0240V2T1G" SOD-523 67.724,60.895 r90 top value=40V (schematic designator D12)
D12C "NSR0240V2T1G" SOD-523 140.524,60.895 r90 top value=40V (schematic designator D12)
D12D "NSR0240V2T1G" SOD-523 180.385,60.45 r90 top value=40V (schematic designator D12)
D15A "6V" sod-323 35.948,86.329 r90 top (schematic designator D15)
D15B "6V" sod-323 70.784,86.729 r90 top (schematic designator D15)
D15C "6V" sod-323 143.584,86.729 r90 top (schematic designator D15)
D15D "6V" sod-323 183.444,86.284 r90 top (schematic designator D15)
D16A "NSR0240V2T1G" SOD-523 40.204,60.495 r90 top value=40V (schematic designator D16)
D16B "NSR0240V2T1G" SOD-523 75.04,60.895 r90 top value=40V (schematic designator D16)
D16C "NSR0240V2T1G" SOD-523 147.84,60.895 r90 top value=40V (schematic designator D16)
D16D "NSR0240V2T1G" SOD-523 187.7,60.45 r90 top value=40V (schematic designator D16)
D17A "NSR0240V2T1G" SOD-523 38.375,60.495 r90 top value=40V (schematic designator D17)
D17B "NSR0240V2T1G" SOD-523 73.211,60.895 r90 top value=40V (schematic designator D17)
D17C "NSR0240V2T1G" SOD-523 146.011,60.895 r90 top value=40V (schematic designator D17)
D17D "NSR0240V2T1G" SOD-523 185.871,60.45 r90 top value=40V (schematic designator D17)
D18A "NSR0240V2T1G" SOD-523 43.861,60.495 r90 top value=40V (schematic designator D18)
D18B "NSR0240V2T1G" SOD-523 78.697,60.895 r90 top value=40V (schematic designator D18)
D18C "NSR0240V2T1G" SOD-523 151.497,60.895 r90 top value=40V (schematic designator D18)
D18D "NSR0240V2T1G" SOD-523 191.358,60.45 r90 top value=40V (schematic designator D18)
D19 "SMAJ18A" SMA 116.501,50.006 r270 top value=18V
D20 "MMSZ5245BS-7-F" sod-323 105.101,53.106 r270 bottom value=15V
D21 "NSR0240V2T1G" SOD-523 101.902,58.006 r0 bottom value=40V
D22 "MMSZ5245BS-7-F" sod-323 104.801,59.206 r90 bottom value=15V
D23 "NSR0240V2T1G" SOD-523 102.401,50.306 r180 bottom value=40V
D24 "NSR0240V2T1G" SOD-523 109.151,62.906 r90 bottom value=40V
F1A "CCF1N15" FUSE_CCF 41.509,104.145 r90 top value=LH-10 (schematic designator F1)
F1B "CCF1N15" FUSE_CCF 76.345,104.545 r90 top value=LH-10 (schematic designator F1)
F1C "CCF1N15" FUSE_CCF 149.145,104.545 r90 top value=LH-10 (schematic designator F1)
F1D "CCF1N15" FUSE_CCF 189.006,104.099 r90 top value=LH-10 (schematic designator F1)
F2 "CCF1N5" FUSE_CCF 112.801,50.006 r90 top value=LH-10
I2C "ED555/3DS" TERM_BLK_ED555-3DS 169.278,195.472 r90 top
J1 "108-0740-001" Johnson_108-0740-001 75.701,31.006 r0 top
J2 "108-0740-001" Johnson_108-0740-001 158.101,36.006 r0 top
J4 "HTSW-102-07-G-S" Samtec_HTSW-102-07-G-S 104.742,136.571 r90 top
J5 "TSW-107-07-G-S" TSW-107-07-G-S 151.266,195.523 r90 top
J16 "HTSW-102-07-G-S" Samtec_HTSW-102-07-G-S 101.482,136.571 r90 top
J19 "PRPC008DAAN-RC" Sullins_xxxC008DAAN 104.095,193.752 r0 top
J20 "10118193-0001LF" FCI_10118193-0001LF 186.832,200.102 r90 top
L1 "Ferrite_Bead" 0603L 71.671,195.435 r0 top value="600 ohm"
L2 "LPS4018-153MRB" FP-LPS4018-MFG 116.755,137.012 r0 top value=22uH
L3 "744373240022" "WE-LHMI 4020" 115.301,89.706 r90 top
L4A "7443320330" WE-HCC-1210 32.304,121.876 r90 top (schematic designator L4)
L4B "7443320330" WE-HCC-1210 67.14,122.276 r90 top (schematic designator L4)
L4C "7443320330" WE-HCC-1210 139.94,122.276 r90 top (schematic designator L4)
L4D "7443320330" WE-HCC-1210 179.8,121.831 r90 top (schematic designator L4)
L5 "B82789C0104H001" SIMDAD_1812 155.825,182.984 r0 top value=100uH
L6 "742792664" 0603 243.3,29.1 r0 top
L7 "742792664" 0603 238.8,29.1 r0 top
L8 "742792664" 0603 234.3,29.1 r0 top
L9 "742792664" 0603 229.8,29.1 r0 top
L10 "742792664" 0603 223.4,28.3 r90 top
L11 "742792664" 0603 219.1,29.1 r0 top
L12 "742792664" 0603 212.7,28.3 r90 top
L13 "742792664" 0603 207.1,28.3 r90 top
NT1 "Header 2" HDR1X2 70.602,200.826 r90 top
NT2 "Header 2" HDR1X2 73.85,200.826 r90 top
NT3 "Header 2" HDR1X2 67.354,200.826 r90 top
NT4 "Header 2" HDR1X2 64.106,200.826 r90 top
NT5 "Net-Tie" Net-Tie_10mil 179.584,175.436 r90 top net-tie
Q1 "CSD16570Q5B" DNK8 107.001,51.806 r270 top value=25V
Q2 "CSD16570Q5B" DNK8 107.001,60.706 r90 top value=25V
Q3 "MMBT2222ALT1G" ONSC-SOT-23-3-318-08_V 102.401,55.406 r270 bottom
Q4A "CSD16570Q5B" DNK8 53.405,124.289 r90 top value=25V (schematic designator Q4)
Q4B "CSD16570Q5B" DNK8 88.241,124.689 r90 top value=25V (schematic designator Q4)
Q4C "CSD16570Q5B" DNK8 161.041,124.689 r90 top value=25V (schematic designator Q4)
Q4D "CSD16570Q5B" DNK8 200.901,124.244 r90 top value=25V (schematic designator Q4)
Q5A "CSD16570Q5B" DNK8 29.643,112.427 r90 top value=25V (schematic designator Q5)
Q5B "CSD16570Q5B" DNK8 64.479,112.827 r90 top value=25V (schematic designator Q5)
Q5C "CSD16570Q5B" DNK8 137.279,112.827 r90 top value=25V (schematic designator Q5)